# KiCad board backplane-breaout-big.kicad_pcb
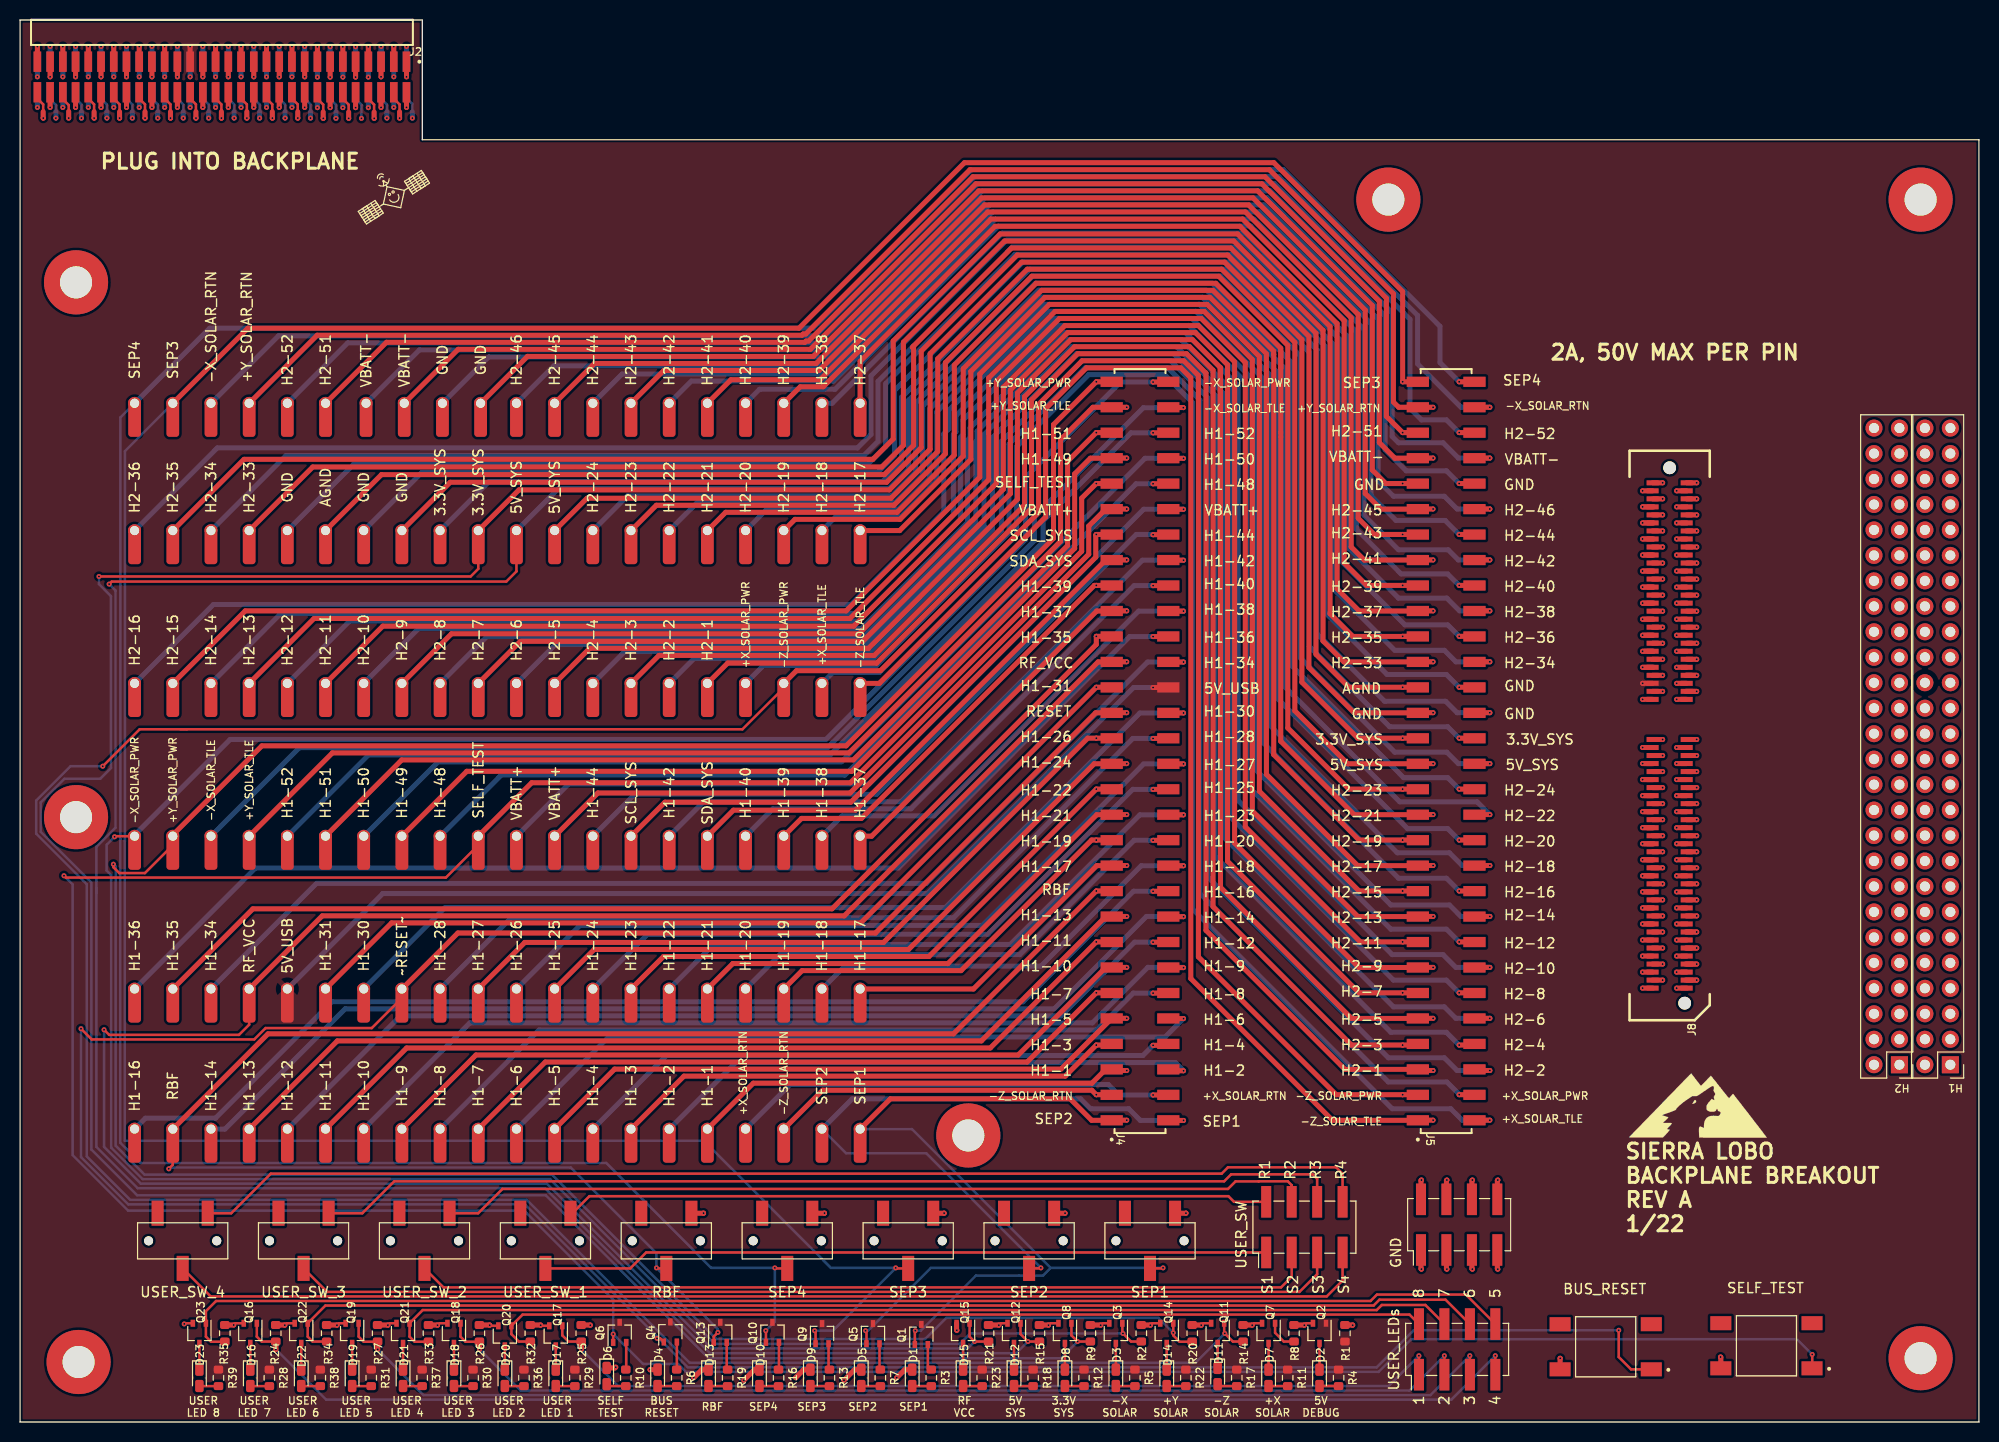
[diagram p0: board, top side]
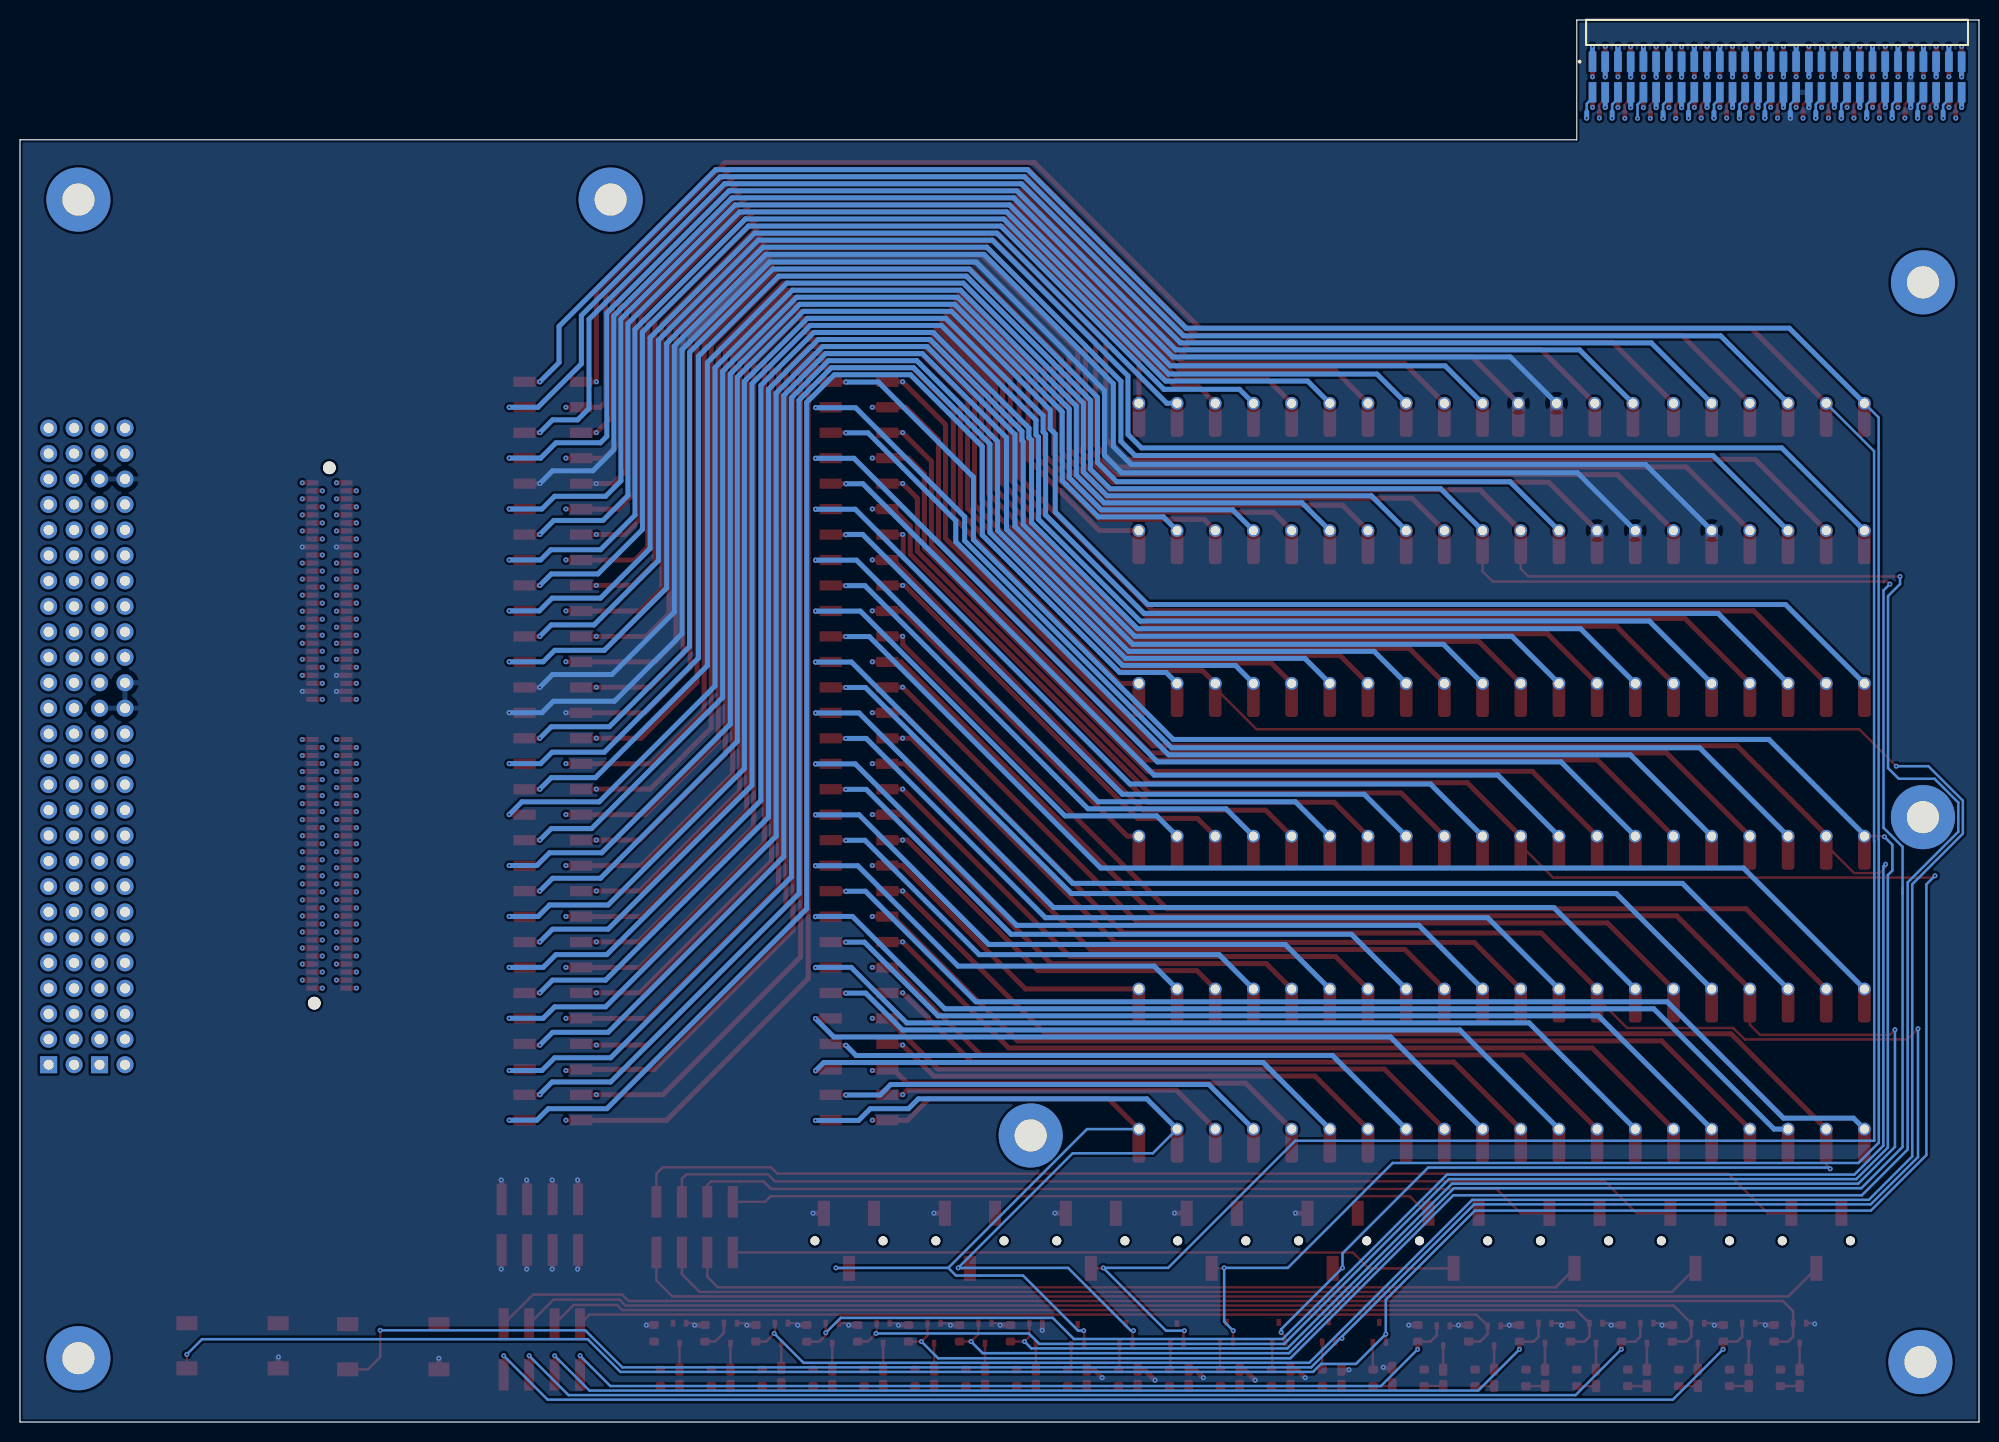
[diagram p1: board, bottom side, seen from below]

Outline 195.45 x 139.83 mm; copper layers: Top, In1.Cu, In2.Cu, In3.Cu, In4.Cu, Bottom. Coordinates in mm from the lower left corner of the outline.
Outline path: 0,139.83 0,0 195.45,0 195.45,127.89 40.13,127.89 40.13,139.83 0,139.83
Stack: Top 0.035mm / dielectric 0.274mm FR4 er 4.5 / In1.Cu 0.035mm / dielectric 0.274mm FR4 er 4.5 / In2.Cu 0.035mm / dielectric 0.274mm FR4 er 4.5 / In3.Cu 0.035mm / dielectric 0.274mm FR4 er 4.5 / In4.Cu 0.035mm / dielectric 0.274mm FR4 er 4.5 / Bottom 0.035mm

## Placement (name value [footprint] x y rotation side)
D1  RED  [LED_0603_1608Metric_Castellated]  89.01 4.4 270 top
D2  GREEN  [LED_0603_1608Metric_Castellated]  129.65 4.4 270 top
D3  GREEN  [LED_0603_1608Metric_Castellated]  109.33 4.4 270 top
D4  RED  [LED_0603_1608Metric_Castellated]  63.61 4.4 270 top
D5  RED  [LED_0603_1608Metric_Castellated]  83.93 4.4 270 top
D6  RED  [LED_0603_1608Metric_Castellated]  58.53 4.58 270 top
D7  GREEN  [LED_0603_1608Metric_Castellated]  124.57 4.4 270 top
D8  GREEN  [LED_0603_1608Metric_Castellated]  104.25 4.4 270 top
D9  RED  [LED_0603_1608Metric_Castellated]  78.85 4.4 270 top
D10  RED  [LED_0603_1608Metric_Castellated]  73.77 4.4 270 top
D11  GREEN  [LED_0603_1608Metric_Castellated]  119.49 4.58 270 top
D12  GREEN  [LED_0603_1608Metric_Castellated]  99.17 4.4 270 top
D13  RED  [LED_0603_1608Metric_Castellated]  68.69 4.4 270 top
D14  GREEN  [LED_0603_1608Metric_Castellated]  114.41 4.4 270 top
D15  GREEN  [LED_0603_1608Metric_Castellated]  94.09 4.4 270 top
D16  BLUE  [LED_0603_1608Metric_Castellated]  22.97 4.4 270 top
D17  ORANGE  [LED_0603_1608Metric_Castellated]  53.45 4.4 270 top
D18  ORANGE  [LED_0603_1608Metric_Castellated]  43.29 4.4 270 top
D19  BLUE  [LED_0603_1608Metric_Castellated]  33.13 4.4 270 top
D20  ORANGE  [LED_0603_1608Metric_Castellated]  48.37 4.4 270 top
D21  ORANGE  [LED_0603_1608Metric_Castellated]  38.21 4.4 270 top
D22  BLUE  [LED_0603_1608Metric_Castellated]  28.05 4.4 270 top
D23  BLUE  [LED_0603_1608Metric_Castellated]  17.89 4.4 270 top
G***  LOGO  [SLI_LOGO]  167.39 30.73 0 top
H1  Conn_02x26_Odd_Even  [PinHeader_2x26_P2.54mm_Vertical]  192.6 35.63 180 top
H2  Conn_02x26_Odd_Even  [PinHeader_2x26_P2.54mm_Vertical]  187.52 35.63 180 top
H5  M3 HOLE  [MountingHole_3.2mm_M3_Pad_TopBottom]  5.84 5.98 0 top
H6  M3 HOLE  [MountingHole_3.2mm_M3_Pad_TopBottom]  189.63 121.92 0 top
H7  M3 HOLE  [MountingHole_3.2mm_M3_Pad_TopBottom]  5.59 113.66 0 top
H8  M3 HOLE  [MountingHole_3.2mm_M3_Pad_TopBottom]  189.63 6.36 0 top
H9  M3 HOLE  [MountingHole_3.2mm_M3_Pad_TopBottom]  94.62 28.57 0 top
H10  M3 HOLE  [MountingHole_3.2mm_M3_Pad_TopBottom]  5.59 60.32 0 top
H11  M3 HOLE  [MountingHole_3.2mm_M3_Pad_TopBottom]  136.53 121.92 0 top
J1  Breakout Connector  [SAMTEC_FTSH-130-04-L-DH_flipped]  20.15 134.15 180 bottom
J2  Breakout Connector  [SAMTEC_FTSH-130-04-L-DH]  20.15 134.15 0 top
J3  GND  [PinHeader_2x04_P2.54mm_Vertical_SMD]  143.59 19.68 90 top
J4  SSM-130-L-DV  [SAMTEC_SSM-130-L-DV]  111.75 66.92 270 top
J5  SSM-130-L-DV  [SAMTEC_SSM-130-L-DV]  142.29 66.92 270 top
J6  USER_SW  [PinHeader_2x04_P2.54mm_Vertical_SMD]  128.15 19.43 90 top
J7  USER_LEDs  [PinHeader_2x04_P2.54mm_Vertical_SMD]  143.39 7.24 90 top
J8  -  [HSEC8-160-01-S-DV-A-K-TR]  164.59 70.07 90 top
Q1  BSS84W-7-F  [SOT-323_SC-70]  89.93 8.73 90 top
Q2  DMG1012UW-7  [SOT-323_SC-70]  129.65 8.84 270 top
Q3  DMG1012UW-7  [SOT-323_SC-70]  109.33 8.84 270 top
Q4  BSS84W-7-F  [SOT-323_SC-70]  64.88 8.97 90 top
Q5  BSS84W-7-F  [SOT-323_SC-70]  85.1 8.81 90 top
Q6  BSS84W-7-F  [SOT-323_SC-70]  59.83 8.93 90 top
Q7  DMG1012UW-7  [SOT-323_SC-70]  124.57 8.84 270 top
Q8  DMG1012UW-7  [SOT-323_SC-70]  104.25 8.84 270 top
Q9  BSS84W-7-F  [SOT-323_SC-70]  80.02 8.81 90 top
Q10  BSS84W-7-F  [SOT-323_SC-70]  75.07 8.93 90 top
Q11  DMG1012UW-7  [SOT-323_SC-70]  119.49 8.84 270 top
Q12  DMG1012UW-7  [SOT-323_SC-70]  99.17 8.84 270 top
Q13  BSS84W-7-F  [SOT-323_SC-70]  69.86 8.93 90 top
Q14  DMG1012UW-7  [SOT-323_SC-70]  114.41 8.84 270 top
Q15  DMG1012UW-7  [SOT-323_SC-70]  94.09 8.84 270 top
Q16  DMG1012UW-7  [SOT-323_SC-70]  22.97 8.84 270 top
Q17  DMG1012UW-7  [SOT-323_SC-70]  53.45 8.59 270 top
Q18  DMG1012UW-7  [SOT-323_SC-70]  43.29 8.84 270 top
Q19  DMG1012UW-7  [SOT-323_SC-70]  33.13 8.84 270 top
Q20  DMG1012UW-7  [SOT-323_SC-70]  48.37 8.59 270 top
Q21  DMG1012UW-7  [SOT-323_SC-70]  38.21 8.84 270 top
Q22  DMG1012UW-7  [SOT-323_SC-70]  28.05 8.84 270 top
Q23  DMG1012UW-7  [SOT-323_SC-70]  17.89 8.84 270 top
R1  10k  [R_0603_1608Metric]  132.19 8.84 90 top
R2  10k  [R_0603_1608Metric]  111.87 8.84 90 top
R3  1k  [R_0603_1608Metric]  90.92 4.4 270 top
R4  1k  [R_0603_1608Metric]  131.56 4.4 270 top
R5  1k  [R_0603_1608Metric]  111.24 4.4 270 top
R6  1k  [R_0603_1608Metric]  65.52 4.4 270 top
R7  1k  [R_0603_1608Metric]  85.84 4.4 270 top
R8  10k  [R_0603_1608Metric]  127.11 8.84 90 top
R9  10k  [R_0603_1608Metric]  106.79 8.84 90 top
R10  1k  [R_0603_1608Metric]  60.44 4.4 270 top
R11  1k  [R_0603_1608Metric]  126.48 4.4 270 top
R12  1k  [R_0603_1608Metric]  106.16 4.4 270 top
R13  1k  [R_0603_1608Metric]  80.76 4.4 270 top
R14  10k  [R_0603_1608Metric]  122.03 8.84 90 top
R15  10k  [R_0603_1608Metric]  101.71 8.84 90 top
R16  1k  [R_0603_1608Metric]  75.68 4.4 270 top
R17  1k  [R_0603_1608Metric]  121.4 4.4 270 top
R18  1k  [R_0603_1608Metric]  101.08 4.4 270 top
R19  1k  [R_0603_1608Metric]  70.6 4.4 270 top
R20  10k  [R_0603_1608Metric]  116.95 8.84 90 top
R21  10k  [R_0603_1608Metric]  96.63 8.84 90 top
R22  1k  [R_0603_1608Metric]  116.32 4.4 270 top
R23  1k  [R_0603_1608Metric]  96 4.4 270 top
R24  10k  [R_0603_1608Metric]  25.51 8.84 90 top
R25  10k  [R_0603_1608Metric]  55.99 8.84 90 top
R26  10k  [R_0603_1608Metric]  45.83 8.84 90 top
R27  10k  [R_0603_1608Metric]  35.67 8.84 90 top
R28  1k  [R_0603_1608Metric]  24.88 4.4 270 top
R29  1k  [R_0603_1608Metric]  55.36 4.4 270 top
R30  1k  [R_0603_1608Metric]  45.2 4.4 270 top
R31  1k  [R_0603_1608Metric]  35.04 4.4 270 top
R32  10k  [R_0603_1608Metric]  50.91 8.84 90 top
R33  10k  [R_0603_1608Metric]  40.75 8.84 90 top
R34  10k  [R_0603_1608Metric]  30.59 8.84 90 top
R35  10k  [R_0603_1608Metric]  20.43 8.84 90 top
R36  1k  [R_0603_1608Metric]  50.28 4.4 270 top
R37  1k  [R_0603_1608Metric]  40.12 4.4 270 top
R38  1k  [R_0603_1608Metric]  29.96 4.4 270 top
R39  1k  [R_0603_1608Metric]  19.8 4.4 270 top
SW1  BUS_RESET  [SW_2-1437565-9]  158.21 7.5 180 top
SW2  SELF_TEST  [SW_2-1437565-9]  174.25 7.6 180 top
SW3  USER_SW_1  [JS102011SCQN]  52.42 18.07 0 top
SW4  USER_SW_2  [JS102011SCQN]  40.35 18.07 0 top
SW5  USER_SW_3  [JS102011SCQN]  28.29 18.07 0 top
SW6  USER_SW_4  [JS102011SCQN]  16.22 18.07 0 top
SW7  SEP1  [JS102011SCQN]  112.74 18.07 0 top
SW8  SEP2  [JS102011SCQN]  100.68 18.07 0 top
SW9  SEP3  [JS102011SCQN]  88.61 18.07 0 top
SW10  SEP4  [JS102011SCQN]  76.55 18.07 0 top
SW11  RBF  [JS102011SCQN]  64.48 18.07 0 top
TP1  SEP1  [Keystone_5027]  83.82 29.21 90 top
TP2  -Z_SOLAR_TLE  [Keystone_5027]  83.82 73.67 90 top
TP3  -Z_SOLAR_RTN  [Keystone_5027]  76.2 29.21 90 top
TP4  -Z_SOLAR_PWR  [Keystone_5027]  76.2 73.67 90 top
TP5  H1-1  [Keystone_5027]  68.58 29.21 90 top
TP6  H2-1  [Keystone_5027]  68.58 73.67 90 top
TP7  H1-3  [Keystone_5027]  60.96 29.21 90 top
TP8  H2-3  [Keystone_5027]  60.96 73.67 90 top
TP9  H1-5  [Keystone_5027]  53.34 29.21 90 top
TP10  H2-5  [Keystone_5027]  53.34 73.67 90 top
TP11  H1-7  [Keystone_5027]  45.72 29.21 90 top
TP12  H2-7  [Keystone_5027]  45.72 73.67 90 top
TP13  H1-9  [Keystone_5027]  38.1 29.21 90 top
TP14  H2-9  [Keystone_5027]  38.1 73.67 90 top
TP15  H1-11  [Keystone_5027]  30.48 29.21 90 top
TP16  H2-11  [Keystone_5027]  30.48 73.67 90 top
TP17  H1-13  [Keystone_5027]  22.86 29.21 90 top
TP18  H2-13  [Keystone_5027]  22.86 73.67 90 top
TP19  RBF  [Keystone_5027]  15.24 29.21 90 top
TP20  H2-15  [Keystone_5027]  15.24 73.67 90 top
TP21  H1-17  [Keystone_5027]  83.82 43.19 90 top
TP22  H2-17  [Keystone_5027]  83.82 88.91 90 top
TP23  H1-19  [Keystone_5027]  76.2 43.19 90 top
TP24  H2-19  [Keystone_5027]  76.2 88.91 90 top
TP25  H1-21  [Keystone_5027]  68.58 43.19 90 top
TP26  H2-21  [Keystone_5027]  68.58 88.91 90 top
TP27  H1-23  [Keystone_5027]  60.96 43.19 90 top
TP28  H2-23  [Keystone_5027]  60.96 88.91 90 top
TP29  H1-25  [Keystone_5027]  53.34 43.19 90 top
TP30  5V_SYS  [Keystone_5027]  53.34 88.91 90 top
TP31  H1-27  [Keystone_5027]  45.72 43.19 90 top
TP32  3.3V_SYS  [Keystone_5027]  45.72 88.91 90 top
TP33  ~RESET~  [Keystone_5027]  38.1 43.19 90 top
TP34  GND  [Keystone_5027]  38.1 88.91 90 top
TP35  H1-31  [Keystone_5027]  30.48 43.19 90 top
TP36  AGND  [Keystone_5027]  30.48 88.91 90 top
TP37  RF_VCC  [Keystone_5027]  22.86 43.19 90 top
TP38  H2-33  [Keystone_5027]  22.86 88.91 90 top
TP39  H1-35  [Keystone_5027]  15.24 43.19 90 top
TP40  H2-35  [Keystone_5027]  15.24 88.91 90 top
TP41  H1-37  [Keystone_5027]  83.82 58.43 90 top
TP42  H2-37  [Keystone_5027]  83.82 101.61 90 top
TP43  H1-39  [Keystone_5027]  76.2 58.43 90 top
TP44  H2-39  [Keystone_5027]  76.2 101.61 90 top
TP45  SDA_SYS  [Keystone_5027]  68.58 58.43 90 top
TP46  H2-41  [Keystone_5027]  68.58 101.61 90 top
TP47  SCL_SYS  [Keystone_5027]  60.96 58.43 90 top
TP48  H2-43  [Keystone_5027]  60.96 101.61 90 top
TP49  VBATT+  [Keystone_5027]  53.34 58.43 90 top
TP50  H2-45  [Keystone_5027]  53.34 101.61 90 top
TP51  SELF_TEST  [Keystone_5027]  45.72 58.43 90 top
TP52  GND  [Keystone_5027]  45.96 101.61 90 top
TP53  H1-49  [Keystone_5027]  38.1 58.43 90 top
TP54  VBATT-  [Keystone_5027]  38.34 101.61 90 top
TP55  H1-51  [Keystone_5027]  30.48 58.43 90 top
TP56  H2-51  [Keystone_5027]  30.48 101.61 90 top
TP57  +Y_SOLAR_TLE  [Keystone_5027]  22.86 58.43 90 top
TP58  +Y_SOLAR_RTN  [Keystone_5027]  22.86 101.61 90 top
TP59  +Y_SOLAR_PWR  [Keystone_5027]  15.24 58.43 90 top
TP60  SEP3  [Keystone_5027]  15.24 101.61 90 top
TP61  SEP2  [Keystone_5027]  80.01 29.21 90 top
TP62  +X_SOLAR_TLE  [Keystone_5027]  80.01 73.67 90 top
TP63  +X_SOLAR_RTN  [Keystone_5027]  72.39 29.21 90 top
TP64  +X_SOLAR_PWR  [Keystone_5027]  72.39 73.67 90 top
TP65  H1-2  [Keystone_5027]  64.77 29.21 90 top
TP66  H2-2  [Keystone_5027]  64.77 73.67 90 top
TP67  H1-4  [Keystone_5027]  57.15 29.21 90 top
TP68  H2-4  [Keystone_5027]  57.15 73.67 90 top
TP69  H1-6  [Keystone_5027]  49.53 29.21 90 top
TP70  H2-6  [Keystone_5027]  49.53 73.67 90 top
TP71  H1-8  [Keystone_5027]  41.91 29.21 90 top
TP72  H2-8  [Keystone_5027]  41.91 73.67 90 top
TP73  H1-10  [Keystone_5027]  34.29 29.21 90 top
TP74  H2-10  [Keystone_5027]  34.29 73.67 90 top
TP75  H1-12  [Keystone_5027]  26.67 29.21 90 top
TP76  H2-12  [Keystone_5027]  26.67 73.67 90 top
TP77  H1-14  [Keystone_5027]  19.05 29.21 90 top
TP78  H2-14  [Keystone_5027]  19.05 73.67 90 top
TP79  H1-16  [Keystone_5027]  11.43 29.22 90 top
TP80  H2-16  [Keystone_5027]  11.43 73.67 90 top
TP81  H1-18  [Keystone_5027]  80.01 43.19 90 top
TP82  H2-18  [Keystone_5027]  80.01 88.91 90 top
TP83  H1-20  [Keystone_5027]  72.39 43.19 90 top
TP84  H2-20  [Keystone_5027]  72.39 88.91 90 top
TP85  H1-22  [Keystone_5027]  64.77 43.19 90 top
TP86  H2-22  [Keystone_5027]  64.77 88.91 90 top
TP87  H1-24  [Keystone_5027]  57.15 43.19 90 top
TP88  H2-24  [Keystone_5027]  57.15 88.91 90 top
TP89  H1-26  [Keystone_5027]  49.53 43.19 90 top
TP90  5V_SYS  [Keystone_5027]  49.53 88.91 90 top
TP91  H1-28  [Keystone_5027]  41.91 43.19 90 top
TP92  3.3V_SYS  [Keystone_5027]  41.91 88.91 90 top
TP93  H1-30  [Keystone_5027]  34.29 43.19 90 top
TP94  GND  [Keystone_5027]  34.29 88.91 90 top
TP95  5V_USB  [Keystone_5027]  26.67 43.19 90 top
TP96  GND  [Keystone_5027]  26.67 88.91 90 top
TP97  H1-34  [Keystone_5027]  19.05 43.19 90 top
TP98  H2-34  [Keystone_5027]  19.05 88.91 90 top
TP99  H1-36  [Keystone_5027]  11.43 43.19 90 top
TP100  H2-36  [Keystone_5027]  11.43 88.91 90 top
TP101  H1-38  [Keystone_5027]  80.01 58.43 90 top
TP102  H2-38  [Keystone_5027]  80.01 101.61 90 top
TP103  H1-40  [Keystone_5027]  72.39 58.43 90 top
TP104  H2-40  [Keystone_5027]  72.39 101.61 90 top
TP105  H1-42  [Keystone_5027]  64.77 58.43 90 top
TP106  H2-42  [Keystone_5027]  64.77 101.61 90 top
TP107  H1-44  [Keystone_5027]  57.15 58.43 90 top
TP108  H2-44  [Keystone_5027]  57.15 101.61 90 top
TP109  VBATT+  [Keystone_5027]  49.53 58.43 90 top
TP110  H2-46  [Keystone_5027]  49.53 101.61 90 top
TP111  H1-48  [Keystone_5027]  41.91 58.43 90 top
TP112  GND  [Keystone_5027]  42.15 101.61 90 top
TP113  H1-50  [Keystone_5027]  34.29 58.43 90 top
TP114  VBATT-  [Keystone_5027]  34.53 101.61 90 top
TP115  H1-52  [Keystone_5027]  26.67 58.43 90 top
TP116  H2-52  [Keystone_5027]  26.67 101.61 90 top
TP117  -X_SOLAR_TLE  [Keystone_5027]  19.05 58.43 90 top
TP118  -X_SOLAR_RTN  [Keystone_5027]  19.05 101.61 90 top
TP119  -X_SOLAR_PWR  [Keystone_5027]  11.43 58.43 90 top
TP120  SEP4  [Keystone_5027]  11.43 101.61 90 top

## Library data of the parts
J1 J2 = -: Manufacturer Part Number 1: FTSH-130-04-L-DH

## Footprints (pads in the part's own frame, mm; a bottom-side part is the same pattern mirrored in y, then rotated)
HSEC8-160-01-S-DV-A-K-TR
  round 1.27 hole 1.27 unplated: (-28.3,-1.5) (25.1,0)
  rect 0.5x1.2 smd: 1(-26.8,-1.7) 2(-26.8,1.7) 3(-26,-1.7) 4(-26,1.7) 5(-25.2,-1.7) 6(-25.2,1.7) 7(-24.4,-1.7) 8(-24.4,1.7) 9(-23.6,-1.7) 10(-23.6,1.7) 11(-22.8,-1.7) 12(-22.8,1.7) 13(-22,-1.7) 14(-22,1.7) 15(-21.2,-1.7) 16(-21.2,1.7) 17(-20.4,-1.7) 18(-20.4,1.7) 19(-19.6,-1.7) 20(-19.6,1.7) 21(-18.8,-1.7) 22(-18.8,1.7) 23(-18,-1.7) 24(-18,1.7) 25(-17.2,-1.7) 26(-17.2,1.7) 27(-16.4,-1.7) 28(-16.4,1.7) 29(-15.6,-1.7) 30(-15.6,1.7) 31(-14.8,-1.7) 32(-14.8,1.7) 33(-14,-1.7) 34(-14,1.7) 35(-13.2,-1.7) 36(-13.2,1.7) 37(-12.4,-1.7) 38(-12.4,1.7) 39(-11.6,-1.7) 40(-11.6,1.7) 41(-10.8,-1.7) 42(-10.8,1.7) 43(-10,-1.7) 44(-10,1.7) 45(-9.2,-1.7) 46(-9.2,1.7) 47(-8.4,-1.7) 48(-8.4,1.7) 49(-7.6,-1.7) 50(-7.6,1.7) 51(-6.8,-1.7) 52(-6.8,1.7) 53(-6,-1.7) 54(-6,1.7) 55(-5.2,-1.7) 56(-5.2,1.7) 57(-4.4,-1.7) 58(-4.4,1.7) 59(-3.6,-1.7) 60(-3.6,1.7) 61(-2.8,-1.7) 62(-2.8,1.7) 63(-2,-1.7) 64(-2,1.7) 65(2,-1.7) 66(2,1.7) 67(2.8,-1.7) 68(2.8,1.7) 69(3.6,-1.7) 70(3.6,1.7) 71(4.4,-1.7) 72(4.4,1.7) 73(5.2,-1.7) 74(5.2,1.7) 75(6,-1.7) 76(6,1.7) 77(6.8,-1.7) 78(6.8,1.7) 79(7.6,-1.7) 80(7.6,1.7) 81(8.4,-1.7) 82(8.4,1.7) 83(9.2,-1.7) 84(9.2,1.7) 85(10,-1.7) 86(10,1.7) 87(10.8,-1.7) 88(10.8,1.7) 89(11.6,-1.7) 90(11.6,1.7) 91(12.4,-1.7) 92(12.4,1.7) 93(13.2,-1.7) 94(13.2,1.7) 95(14,-1.7) 96(14,1.7) 97(14.8,-1.7) 98(14.8,1.7) 99(15.6,-1.7) 100(15.6,1.7) 101(16.4,-1.7) 102(16.4,1.7) 103(17.2,-1.7) 104(17.2,1.7) 105(18,-1.7) 106(18,1.7) 107(18.8,-1.7) 108(18.8,1.7) 109(19.6,-1.7) 110(19.6,1.7) 111(20.4,-1.7) 112(20.4,1.7) 113(21.2,-1.7) 114(21.2,1.7) 115(22,-1.7) 116(22,1.7) 117(22.8,-1.7) 118(22.8,1.7) 119(23.6,-1.7) 120(23.6,1.7)
JS102011SCQN
  round 0.9 hole 0.9 unplated: (-3.4,0) (3.4,0)
  rect 1.2x2.5 smd: 1(-2.5,2.75) 2(0,-2.75) 3(2.5,2.75)
Keystone_5027
  round 1.27 hole 0.914: 1(0,0)
  rrect 3.81x1.27 smd: 1(0,0)
LED_0603_1608Metric_Castellated
  rrect 1.225x0.85 smd: 1(-0.812,0) 2(0.812,0)
MountingHole_3.2mm_M3_Pad_TopBottom
  round 3.6 hole 3.2: 1(0,0)
  round 6.4 smd: 1(0,0)
  round 6.4 smd far side: 1(0,0)
PinHeader_2x04_P2.54mm_Vertical_SMD
  rect 3.15x1 smd: 1(-2.525,3.81) 2(2.525,3.81) 3(-2.525,1.27) 4(2.525,1.27) 5(-2.525,-1.27) 6(2.525,-1.27) 7(-2.525,-3.81) 8(2.525,-3.81)
PinHeader_2x26_P2.54mm_Vertical
  rect 1.7x1.7 hole 1: 1(0,0)
  oval 1.7x1.7 hole 1: 2(2.54,0) 3(0,-2.54) 4(2.54,-2.54) 5(0,-5.08) 6(2.54,-5.08) 7(0,-7.62) 8(2.54,-7.62) 9(0,-10.16) 10(2.54,-10.16) 11(0,-12.7) 12(2.54,-12.7) 13(0,-15.24) 14(2.54,-15.24) 15(0,-17.78) 16(2.54,-17.78) 17(0,-20.32) 18(2.54,-20.32) 19(0,-22.86) 20(2.54,-22.86) 21(0,-25.4) 22(2.54,-25.4) 23(0,-27.94) 24(2.54,-27.94) 25(0,-30.48) 26(2.54,-30.48) 27(0,-33.02) 28(2.54,-33.02) 29(0,-35.56) 30(2.54,-35.56) 31(0,-38.1) 32(2.54,-38.1) 33(0,-40.64) 34(2.54,-40.64) 35(0,-43.18) 36(2.54,-43.18) 37(0,-45.72) 38(2.54,-45.72) 39(0,-48.26) 40(2.54,-48.26) 41(0,-50.8) 42(2.54,-50.8) 43(0,-53.34) 44(2.54,-53.34) 45(0,-55.88) 46(2.54,-55.88) 47(0,-58.42) 48(2.54,-58.42) 49(0,-60.96) 50(2.54,-60.96) 51(0,-63.5) 52(2.54,-63.5)
R_0603_1608Metric
  rrect 0.8x0.95 smd: 1(-0.825,0) 2(0.825,0)
SAMTEC_FTSH-130-04-L-DH
  rect 0.76x2.03 smd: 1(18.415,-1.525) 2(18.415,1.525) 3(17.145,-1.525) 4(17.145,1.525) 5(15.875,-1.525) 6(15.875,1.525) 7(14.605,-1.525) 8(14.605,1.525) 9(13.335,-1.525) 10(13.335,1.525) 11(12.065,-1.525) 12(12.065,1.525) 13(10.795,-1.525) 14(10.795,1.525) 15(9.525,-1.525) 16(9.525,1.525) 17(8.255,-1.525) 18(8.255,1.525) 19(6.985,-1.525) 20(6.985,1.525) 21(5.715,-1.525) 22(5.715,1.525) 23(4.445,-1.525) 24(4.445,1.525) 25(3.175,-1.525) 26(3.175,1.525) 27(1.905,-1.525) 28(1.905,1.525) 29(0.635,-1.525) 30(0.635,1.525) 31(-0.635,-1.525) 32(-0.635,1.525) 33(-1.905,-1.525) 34(-1.905,1.525) 35(-3.175,-1.525) 36(-3.175,1.525) 37(-4.445,-1.525) 38(-4.445,1.525) 39(-5.715,-1.525) 40(-5.715,1.525) 41(-6.985,-1.525) 42(-6.985,1.525) 43(-8.255,-1.525) 44(-8.255,1.525) 45(-9.525,-1.525) 46(-9.525,1.525) 47(-10.795,-1.525) 48(-10.795,1.525) 49(-12.065,-1.525) 50(-12.065,1.525) 51(-13.335,-1.525) 52(-13.335,1.525) 53(-14.605,-1.525) 54(-14.605,1.525) 55(-15.875,-1.525) 56(-15.875,1.525) 57(-17.145,-1.525) 58(-17.145,1.525) 59(-18.415,-1.525) 60(-18.415,1.525)
SAMTEC_FTSH-130-04-L-DH_flipped
  rect 0.76x2.03 smd: 1(-18.415,1.525) 2(-18.415,-1.525) 3(-17.145,1.525) 4(-17.145,-1.525) 5(-15.875,1.525) 6(-15.875,-1.525) 7(-14.605,1.525) 8(-14.605,-1.525) 9(-13.335,1.525) 10(-13.335,-1.525) 11(-12.065,1.525) 12(-12.065,-1.525) 13(-10.795,1.525) 14(-10.795,-1.525) 15(-9.525,1.525) 16(-9.525,-1.525) 17(-8.255,1.525) 18(-8.255,-1.525) 19(-6.985,1.525) 20(-6.985,-1.525) 21(-5.715,1.525) 22(-5.715,-1.525) 23(-4.445,1.525) 24(-4.445,-1.525) 25(-3.175,1.525) 26(-3.175,-1.525) 27(-1.905,1.525) 28(-1.905,-1.525) 29(-0.635,1.525) 30(-0.635,-1.525) 31(0.635,1.525) 32(0.635,-1.525) 33(1.905,1.525) 34(1.905,-1.525) 35(3.175,1.525) 36(3.175,-1.525) 37(4.445,1.525) 38(4.445,-1.525) 39(5.715,1.525) 40(5.715,-1.525) 41(6.985,1.525) 42(6.985,-1.525) 43(8.255,1.525) 44(8.255,-1.525) 45(9.525,1.525) 46(9.525,-1.525) 47(10.795,1.525) 48(10.795,-1.525) 49(12.065,1.525) 50(12.065,-1.525) 51(13.335,1.525) 52(13.335,-1.525) 53(14.605,1.525) 54(14.605,-1.525) 55(15.875,1.525) 56(15.875,-1.525) 57(17.145,1.525) 58(17.145,-1.525) 59(18.415,1.525) 60(18.415,-1.525)
SAMTEC_SSM-130-L-DV
  rect 1.02x2.22 smd: 1(36.83,-2.825) 2(36.83,2.825) 3(34.29,-2.825) 4(34.29,2.825) 5(31.75,-2.825) 6(31.75,2.825) 7(29.21,-2.825) 8(29.21,2.825) 9(26.67,-2.825) 10(26.67,2.825) 11(24.13,-2.825) 12(24.13,2.825) 13(21.59,-2.825) 14(21.59,2.825) 15(19.05,-2.825) 16(19.05,2.825) 17(16.51,-2.825) 18(16.51,2.825) 19(13.97,-2.825) 20(13.97,2.825) 21(11.43,-2.825) 22(11.43,2.825) 23(8.89,-2.825) 24(8.89,2.825) 25(6.35,-2.825) 26(6.35,2.825) 27(3.81,-2.825) 28(3.81,2.825) 29(1.27,-2.825) 30(1.27,2.825) 31(-1.27,-2.825) 32(-1.27,2.825) 33(-3.81,-2.825) 34(-3.81,2.825) 35(-6.35,-2.825) 36(-6.35,2.825) 37(-8.89,-2.825) 38(-8.89,2.825) 39(-11.43,-2.825) 40(-11.43,2.825) 41(-13.97,-2.825) 42(-13.97,2.825) 43(-16.51,-2.825) 44(-16.51,2.825) 45(-19.05,-2.825) 46(-19.05,2.825) 47(-21.59,-2.825) 48(-21.59,2.825) 49(-24.13,-2.825) 50(-24.13,2.825) 51(-26.67,-2.825) 52(-26.67,2.825) 53(-29.21,-2.825) 54(-29.21,2.825) 55(-31.75,-2.825) 56(-31.75,2.825) 57(-34.29,-2.825) 58(-34.29,2.825) 59(-36.83,-2.825) 60(-36.83,2.825)
SOT-323_SC-70
  rect 0.7x0.45 smd: 1(-1,0.65) 2(-1,-0.65) 3(1,0)
SW_2-1437565-9
  rect 2.1x1.4 smd: 1(-4.55,2.25) 2(4.55,2.25) 3(-4.55,-2.25) 4(4.55,-2.25)
